# Altium PCB host_board.PcbDoc (part 4 of 8) (continued)
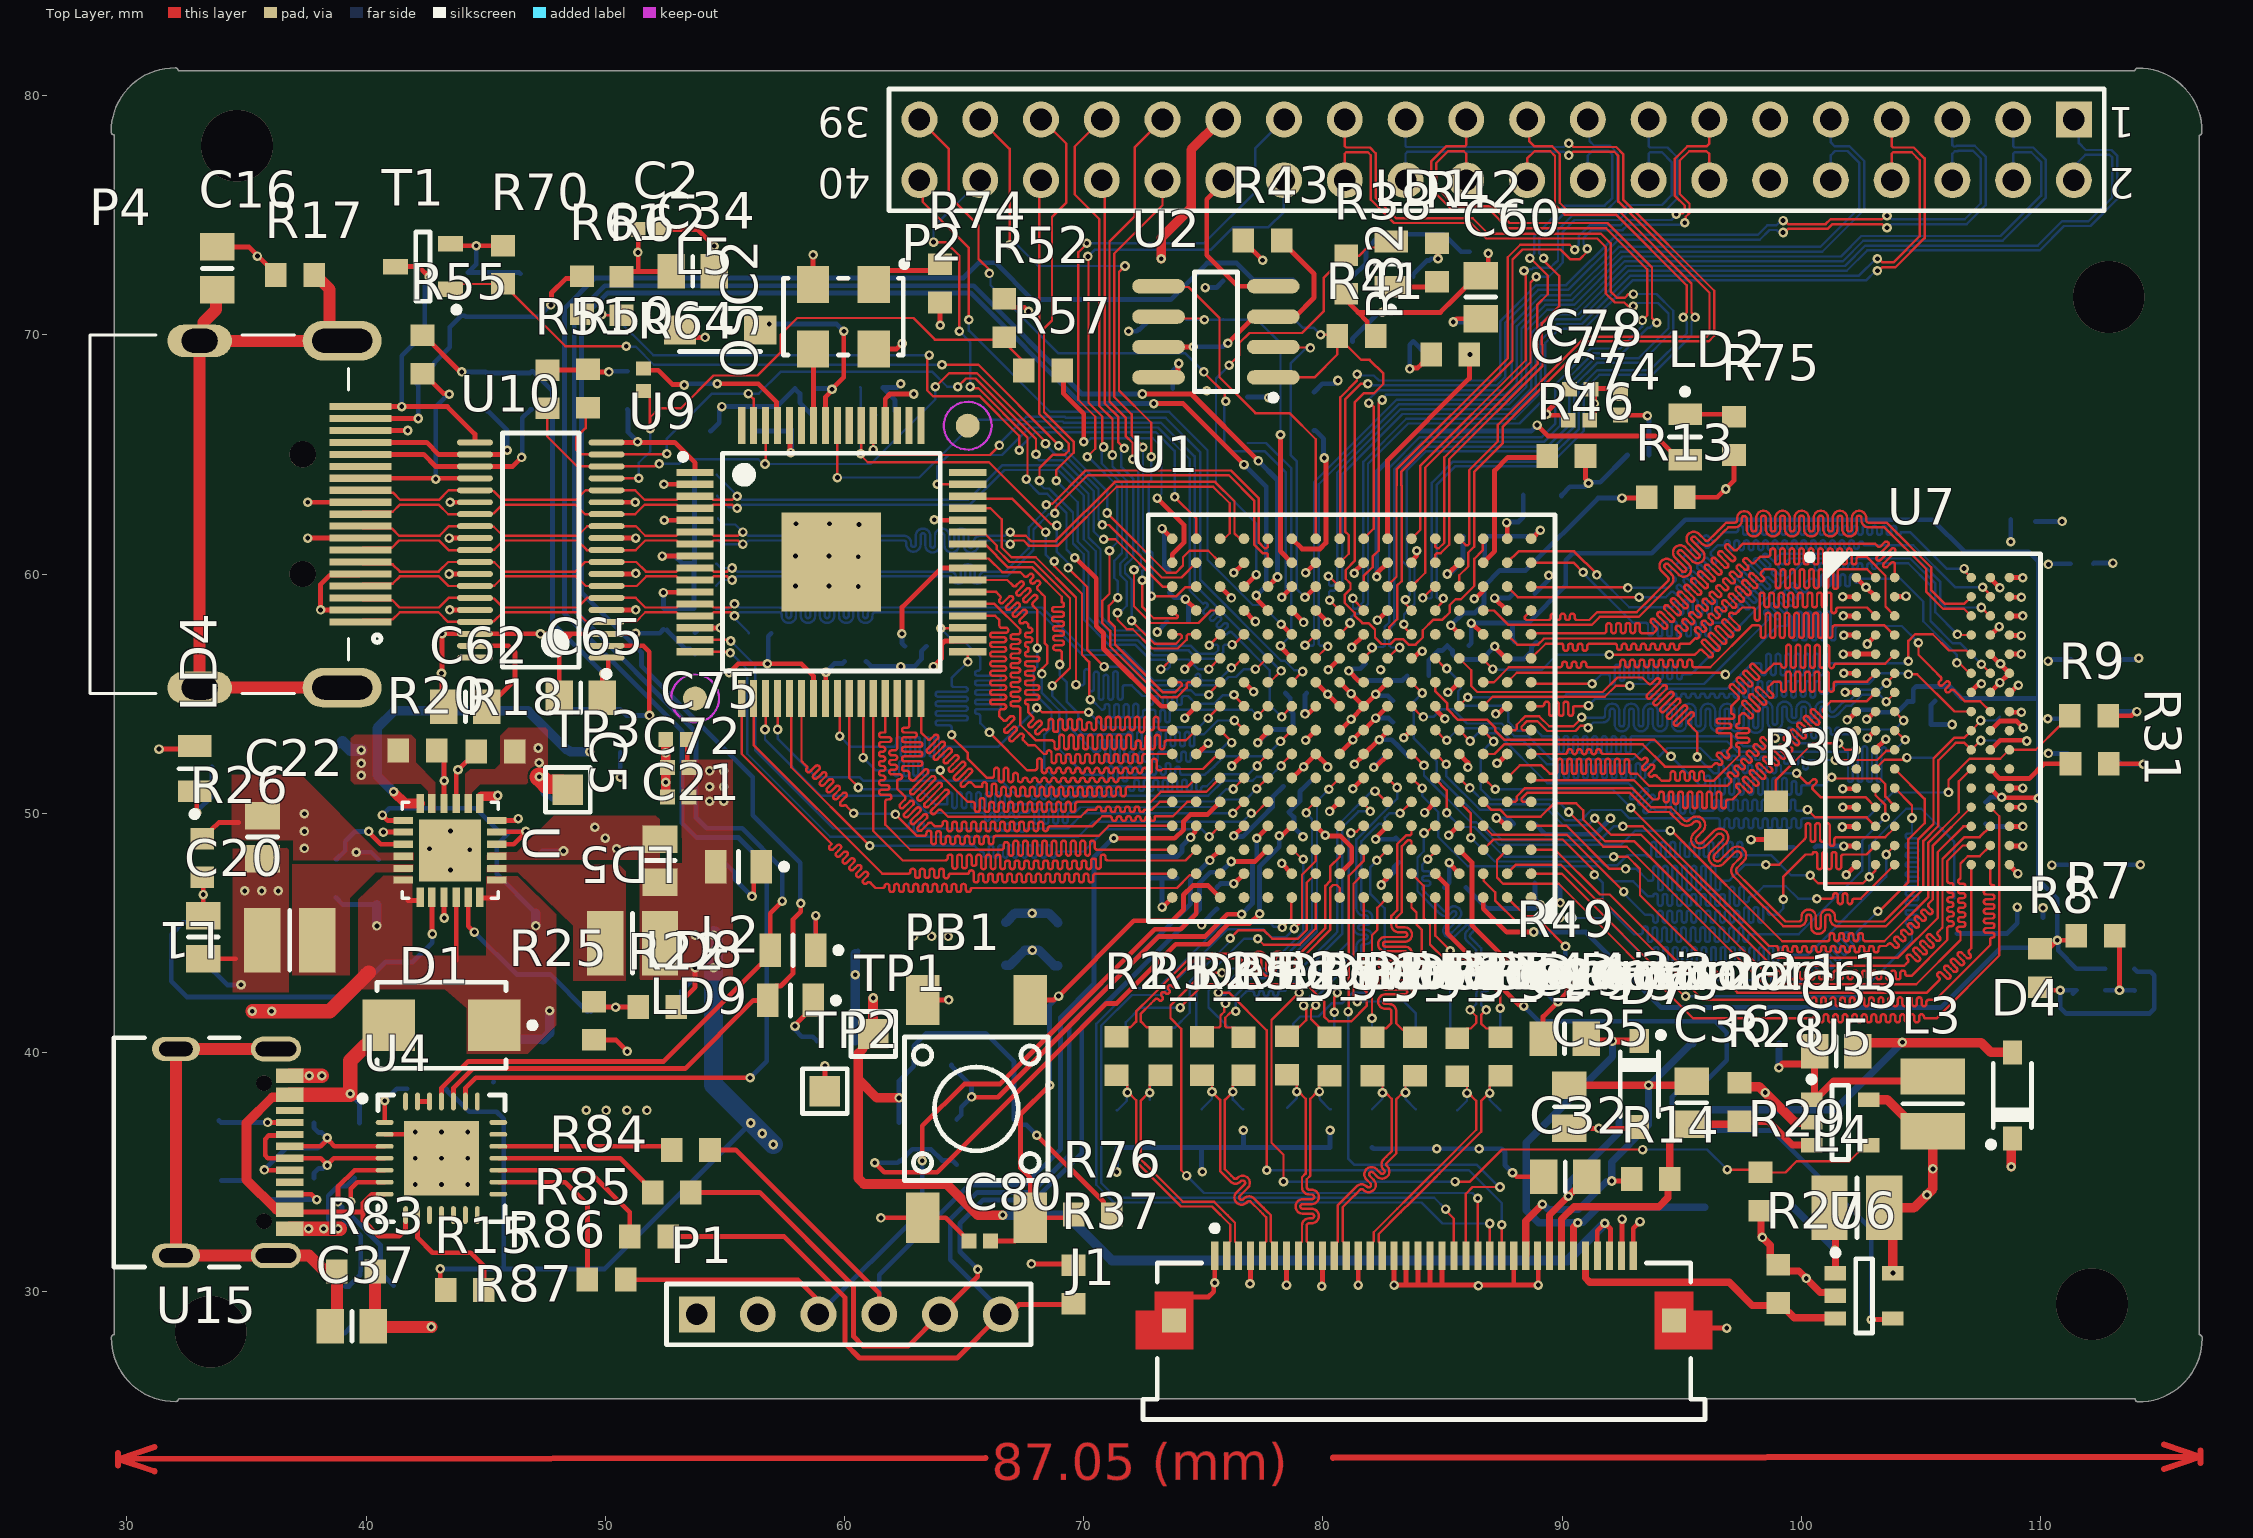
[diagram p0: Top Layer view]
## Nets (pads, with @x,y where several pads share a name; then routed paths per layer and width w, separated by ;. In a path a pad name is that pad's centre, name@x,y a point inside that pad or via, vN(x,y) a via of type N, cw(c..) or ccw(c..) an arc to the next point about the centre after c; other vN are vias at no path point) (continued)
DDR_D10: U1.R2 U7.C8 | length 34.8
  Top Layer w0.1: U1.R2@87.7,60.475 88.173,60.947 90.497,60.947 91.45,59.995 v1(91.45,59.964) ; v1(107.525,58.6) 107.875,58.25 U7.C8@107.9,58.25
  Bottom Layer w0.1: v1(91.45,59.964) 92.805,58.609 94.564,58.609 ccw(c94.564,58.709) 94.664,58.709 94.664,58.732 cw(c94.764,58.732) 94.764,58.832 cw(c94.764,58.732) 94.864,58.732 94.864,58.609 94.864,58.396 ccw(c94.964,58.396) 94.964,58.296 ccw(c94.964,58.396) 95.064,58.396 95.064,58.609 95.064,58.83 cw(c95.164,58.83) 95.164,58.93 cw(c95.164,58.83) 95.264,58.83 95.264,58.609 95.264,58.396 ccw(c95.364,58.396) 95.364,58.296 ccw(c95.364,58.396) 95.464,58.396 95.464,58.609 95.464,58.83 cw(c95.564,58.83) 95.564,58.93 cw(c95.564,58.83) 95.664,58.83 95.664,58.609 95.664,58.396 ccw(c95.764,58.396) 95.764,58.296 ccw(c95.764,58.396) 95.864,58.396 95.864,58.609 95.864,58.83 cw(c95.964,58.83) 95.964,58.93 cw(c95.964,58.83) 96.064,58.83 96.064,58.609 96.064,58.396 ccw(c96.164,58.396) 96.164,58.296 ccw(c96.164,58.396) 96.264,58.396 96.264,58.609 96.264,58.83 cw(c96.364,58.83) 96.364,58.93 cw(c96.364,58.83) 96.464,58.83 96.464,58.609 96.464,58.396 ccw(c96.564,58.396) 96.564,58.296 ccw(c96.564,58.396) 96.664,58.396 96.664,58.509 cw(c96.764,58.509) 96.764,58.609 96.8,58.609 96.884,58.609 97.438,59.163 97.482,59.207 ccw(c97.411,59.278) 97.482,59.348 97.196,59.634 cw(c97.267,59.705) 97.196,59.775 cw(c97.267,59.705) 97.338,59.775 97.694,59.419 ccw(c97.744,59.469) 97.795,59.419 97.835,59.459 ccw(c97.785,59.51) 97.835,59.56 97.479,59.917 cw(c97.55,59.988) 97.479,60.058 cw(c97.55,59.988) 97.62,60.058 97.977,59.702 ccw(c98.027,59.752) 98.078,59.702 98.118,59.742 ccw(c98.068,59.793) 98.118,59.843 97.762,60.2 cw(c97.833,60.27) 97.762,60.341 cw(c97.833,60.27) 97.903,60.341 98.26,59.985 ccw(c98.31,60.035) 98.361,59.985 98.401,60.025 ccw(c98.351,60.076) 98.401,60.126 98.045,60.483 cw(c98.115,60.553) 98.045,60.624 cw(c98.115,60.553) 98.186,60.624 98.543,60.268 ccw(c98.593,60.318) 98.643,60.268 98.684,60.308 ccw(c98.633,60.358) 98.684,60.409 98.421,60.672 cw(c98.492,60.742) 98.421,60.813 cw(c98.492,60.742) 98.563,60.813 98.825,60.55 ccw(c98.876,60.601) 98.926,60.55 98.967,60.591 ccw(c98.916,60.641) 98.967,60.692 99.037,60.762 99.125,60.85 104.631,60.85 105.8,59.681 105.8,58.85 106.05,58.6 v1(107.525,58.6)
DDR_D11: U1.L3 U7.C2 | length 34.6
  Top Layer w0.1: U1.L3@86.7,56.475 86.7,56.425 v1(87.1,56.025) ; v1(91.977,56.625) 95.55,56.625 95.587,56.662 95.657,56.732 95.728,56.803 cw(c95.799,56.732) 95.869,56.803 96.132,56.54 ccw(c96.203,56.611) 96.274,56.54 ccw(c96.203,56.611) 96.274,56.682 95.94,57.015 95.871,57.084 cw(c95.942,57.155) 95.871,57.225 cw(c95.942,57.155) 96.013,57.225 96.082,57.157 96.415,56.823 ; 96.415,56.823 ccw(c96.486,56.894) 96.557,56.823 ccw(c96.486,56.894) 96.557,56.964 96.223,57.298 96.154,57.367 cw(c96.225,57.438) 96.154,57.508 cw(c96.225,57.438) 96.295,57.508 96.364,57.439 96.698,57.106 ccw(c96.769,57.177) 96.839,57.106 ccw(c96.769,57.177) 96.839,57.247 96.506,57.581 96.437,57.65 cw(c96.508,57.72) 96.437,57.791 cw(c96.508,57.72) 96.578,57.791 96.647,57.722 96.981,57.389 ccw(c97.052,57.459) 97.122,57.389 ccw(c97.052,57.459) 97.122,57.53 96.789,57.864 96.72,57.933 cw(c96.79,58.003) 96.72,58.074 cw(c96.79,58.003) 96.861,58.074 96.93,58.005 97.264,57.672 ccw(c97.334,57.742) 97.405,57.672 ccw(c97.334,57.742) 97.405,57.813 97.072,58.147 97.003,58.215 cw(c97.073,58.286) 97.003,58.357 cw(c97.073,58.286) 97.144,58.357 ccw(c97.213,58.426) 97.282,58.357 97.354,58.429 97.375,58.45 97.525,58.6 97.925,58.6 97.955,58.6 cw(c97.955,58.5) 98.055,58.5 98.055,58.15 ccw(c98.155,58.15) 98.155,58.05 ccw(c98.155,58.15) 98.255,58.15 98.255,58.6 98.255,59.125 cw(c98.355,59.125) 98.355,59.225 cw(c98.355,59.125) 98.455,59.125 98.455,58.7 ccw(c98.555,58.7) 98.555,58.6 ccw(c98.555,58.7) 98.655,58.7 98.655,59.125 cw(c98.755,59.125) 98.755,59.225 cw(c98.755,59.125) 98.855,59.125 98.855,58.7 ccw(c98.955,58.7) 98.955,58.6 ccw(c98.955,58.7) 99.055,58.7 99.055,59.125 cw(c99.155,59.125) 99.155,59.225 cw(c99.155,59.125) 99.255,59.125 99.255,58.7 ccw(c99.355,58.7) 99.355,58.6 ccw(c99.355,58.7) 99.455,58.7 99.455,59.125 cw(c99.555,59.125) 99.555,59.225 cw(c99.555,59.125) 99.655,59.125 99.655,58.7 ccw(c99.755,58.7) 99.755,58.6 ccw(c99.755,58.7) 99.855,58.7 99.855,59.125 cw(c99.955,59.125) 99.955,59.225 cw(c99.955,59.125) 100.055,59.125 100.055,58.7 ccw(c100.155,58.7) 100.155,58.6 ccw(c100.155,58.7) 100.255,58.7 100.255,59.125 cw(c100.355,59.125) 100.355,59.225 cw(c100.355,59.125) 100.455,59.125 100.455,58.7 ccw(c100.555,58.7) 100.555,58.6 ccw(c100.555,58.7) 100.655,58.7 100.655,59.125 cw(c100.755,59.125) 100.755,59.225 cw(c100.755,59.125) 100.855,59.125 100.855,58.7 ccw(c100.955,58.7) 100.955,58.6 ccw(c100.955,58.7) 101.055,58.7 101.055,59.125 cw(c101.155,59.125) 101.155,59.225 cw(c101.155,59.125) 101.255,59.125 101.255,58.6 101.255,58.465 ccw(c101.355,58.465) 101.355,58.365 ccw(c101.355,58.465) 101.455,58.465 101.455,58.5 cw(c101.555,58.5) 101.555,58.6 102.75,58.6 U7.C2@103.1,58.25
  Bottom Layer w0.1: v1@87.1,56 89.15,56 89.775,56.625 v1(91.977,56.625)
DDR_D12: U1.P1 U7.A7 | length 34.5
  Top Layer w0.1: U1.P1@88.7,59.475 88.727,59.448 92.723,59.448 v1(92.75,59.421) ; v1(106.8,60.225) 106.8,60.15 U7.A7@107.1,59.85
  Bottom Layer w0.1: v1(92.75,59.421) 94.436,59.421 94.438,59.421 94.509,59.491 94.65,59.633 94.721,59.704 ccw(c94.65,59.774) 94.721,59.845 94.538,60.028 cw(c94.609,60.098) 94.538,60.169 cw(c94.609,60.098) 94.68,60.169 94.862,59.986 ccw(c94.933,60.057) 95.004,59.986 ccw(c94.933,60.057) 95.004,60.128 94.821,60.311 cw(c94.892,60.381) 94.821,60.452 cw(c94.892,60.381) 94.962,60.452 95.145,60.269 ccw(c95.216,60.34) 95.286,60.269 ccw(c95.216,60.34) 95.286,60.411 95.104,60.593 cw(c95.174,60.664) 95.104,60.735 cw(c95.174,60.664) 95.245,60.735 95.428,60.552 ccw(c95.499,60.623) 95.569,60.552 ccw(c95.499,60.623) 95.569,60.694 95.387,60.876 cw(c95.457,60.947) 95.387,61.018 cw(c95.457,60.947) 95.528,61.018 95.711,60.835 ccw(c95.781,60.906) 95.852,60.835 ccw(c95.781,60.906) 95.852,60.976 95.669,61.159 cw(c95.74,61.23) 95.669,61.3 cw(c95.74,61.23) 95.811,61.3 95.994,61.118 ccw(c96.064,61.189) 96.135,61.118 ccw(c96.064,61.189) 96.135,61.259 95.952,61.442 cw(c96.023,61.513) 95.952,61.583 cw(c96.023,61.513) 96.094,61.583 96.276,61.401 ccw(c96.347,61.471) 96.418,61.401 96.489,61.471 96.617,61.6 96.767,61.75 97.26,61.75 ccw(c97.26,61.85) 97.36,61.85 97.36,61.91 cw(c97.46,61.91) 97.46,62.01 cw(c97.46,61.91) 97.56,61.91 97.56,61.75 97.56,61.733 ccw(c97.66,61.733) 97.66,61.633 ccw(c97.66,61.733) 97.76,61.733 97.76,61.75 97.76,61.91 cw(c97.86,61.91) 97.86,62.01 cw(c97.86,61.91) 97.96,61.91 97.96,61.75 97.96,61.733 ccw(c98.06,61.733) 98.06,61.633 ccw(c98.06,61.733) 98.16,61.733 98.16,61.75 98.16,61.91 cw(c98.26,61.91) 98.26,62.01 cw(c98.26,61.91) 98.36,61.91 98.36,61.75 98.36,61.733 ccw(c98.46,61.733) 98.46,61.633 ccw(c98.46,61.733) 98.56,61.733 98.56,61.75 98.56,61.91 cw(c98.66,61.91) 98.66,62.01 cw(c98.66,61.91) 98.76,61.91 98.76,61.75 98.76,61.733 ccw(c98.86,61.733) 98.86,61.633 ccw(c98.86,61.733) 98.96,61.733 98.96,61.75 98.96,61.91 cw(c99.06,61.91) 99.06,62.01 cw(c99.06,61.91) 99.16,61.91 99.16,61.75 99.16,61.733 ccw(c99.26,61.733) 99.26,61.633 ccw(c99.26,61.733) 99.36,61.733 99.36,61.75 99.36,61.91 cw(c99.46,61.91) 99.46,62.01 cw(c99.46,61.91) 99.56,61.91 99.56,61.75 99.56,61.733 ccw(c99.66,61.733) 99.66,61.633 ccw(c99.66,61.733) 99.76,61.733 99.76,61.75 99.76,61.91 cw(c99.86,61.91) 99.86,62.01 cw(c99.86,61.91) 99.96,61.91 99.96,61.75 99.96,61.733 ccw(c100.06,61.733) 100.06,61.633 ccw(c100.06,61.733) 100.16,61.733 100.16,61.75 100.16,61.91 cw(c100.26,61.91) 100.26,62.01 cw(c100.26,61.91) 100.36,61.91 100.36,61.75 100.36,61.733 ccw(c100.46,61.733) 100.46,61.633 ccw(c100.46,61.733) 100.56,61.733 100.56,61.75 100.56,61.91 cw(c100.66,61.91) 100.66,62.01 cw(c100.66,61.91) 100.76,61.91 100.76,61.75 100.76,61.733 ccw(c100.86,61.733) 100.86,61.633 ccw(c100.86,61.733) 100.96,61.733 100.96,61.75 100.96,61.91 cw(c101.06,61.91) 101.06,62.01 cw(c101.06,61.91) 101.16,61.91 101.16,61.75 101.16,61.733 ccw(c101.26,61.733) 101.26,61.633 ccw(c101.26,61.733) 101.36,61.733 101.36,61.75 101.36,61.91 cw(c101.46,61.91) 101.46,62.01 cw(c101.46,61.91) 101.56,61.91 101.56,61.75 101.56,61.733 ccw(c101.66,61.733) 101.66,61.633 ccw(c101.66,61.733) 101.76,61.733 101.76,61.75 101.76,61.91 cw(c101.86,61.91) 101.86,62.01 cw(c101.86,61.91) 101.96,61.91 101.96,61.75 101.96,61.733 ccw(c102.06,61.733) 102.06,61.633 ccw(c102.06,61.733) 102.16,61.733 102.16,61.75 102.16,61.91 cw(c102.26,61.91) 102.26,62.01 cw(c102.26,61.91) 102.36,61.91 102.36,61.75 102.36,61.733 ccw(c102.46,61.733) 102.46,61.633 ccw(c102.46,61.733) 102.56,61.733 102.56,61.75 102.56,61.91 cw(c102.66,61.91) 102.66,62.01 cw(c102.66,61.91) 102.76,61.91 102.76,61.75 102.76,61.733 ccw(c102.86,61.733) 102.86,61.633 ccw(c102.86,61.733) 102.96,61.733 102.96,61.75 102.96,61.91 cw(c103.06,61.91) 103.06,62.01 cw(c103.06,61.91) 103.16,61.91 103.16,61.75 103.16,61.733 ccw(c103.26,61.733) 103.26,61.633 ccw(c103.26,61.733) 103.36,61.733 103.36,61.75 103.36,61.91 cw(c103.46,61.91) 103.46,62.01 cw(c103.46,61.91) 103.56,61.91 103.56,61.75 103.56,61.733 ccw(c103.66,61.733) 103.66,61.633 ccw(c103.66,61.733) 103.76,61.733 103.76,61.75 103.76,61.91 cw(c103.86,61.91) 103.86,62.01 cw(c103.86,61.91) 103.96,61.91 103.96,61.75 103.96,61.733 ccw(c104.06,61.733) 104.06,61.633 ccw(c104.06,61.733) 104.16,61.733 104.16,61.75 104.275,61.75 104.542,61.75 106.067,60.225 v1(106.8,60.225)
DDR_D13: U1.L1 U7.A2 | length 37.4
  Top Layer w0.1: U1.L1@88.7,56.475 89.313,57.088 89.7,57.088 89.95,57.088 cw(c89.95,56.988) 90.05,56.988 90.05,56.89 ccw(c90.15,56.89) 90.25,56.89 90.25,56.991 cw(c90.35,56.991) 90.45,56.991 90.45,56.89 ccw(c90.55,56.89) 90.65,56.89 90.65,56.992 cw(c90.75,56.992) 90.85,56.992 90.85,56.89 ccw(c90.95,56.89) 91.05,56.89 91.05,56.988 cw(c91.15,56.988) 91.15,57.088 91.43,57.088 91.992,57.088 92.092,57.088 92.192,57.088 cw(c92.192,56.988) 92.292,56.988 92.292,56.925 ccw(c92.392,56.925) 92.392,56.825 ccw(c92.392,56.925) 92.492,56.925 92.492,56.988 cw(c92.592,56.988) 92.592,57.088 cw(c92.592,56.988) 92.692,56.988 92.692,56.925 ccw(c92.792,56.925) 92.792,56.825 ccw(c92.792,56.925) 92.892,56.925 92.892,56.988 cw(c92.992,56.988) 92.992,57.088 cw(c92.992,56.988) 93.092,56.988 93.092,56.925 ccw(c93.192,56.925) 93.192,56.825 ccw(c93.192,56.925) 93.292,56.925 93.292,56.988 cw(c93.392,56.988) 93.392,57.088 cw(c93.392,56.988) 93.492,56.988 93.492,56.925 ccw(c93.592,56.925) 93.592,56.825 ccw(c93.592,56.925) 93.692,56.925 93.692,56.988 cw(c93.792,56.988) 93.792,57.088 cw(c93.792,56.988) 93.892,56.988 93.892,56.925 ccw(c93.992,56.925) 93.992,56.825 ccw(c93.992,56.925) 94.092,56.925 94.092,56.988 cw(c94.192,56.988) 94.192,57.088 cw(c94.192,56.988) 94.292,56.988 94.292,56.925 ccw(c94.392,56.925) 94.392,56.825 ccw(c94.392,56.925) 94.492,56.925 94.492,56.988 cw(c94.592,56.988) 94.592,57.088 cw(c94.592,56.988) 94.692,56.988 94.692,56.925 ccw(c94.792,56.925) 94.792,56.825 ccw(c94.792,56.925) 94.892,56.925 94.892,56.988 cw(c94.992,56.988) 94.992,57.088 95.05,57.088 95.338,57.088 95.362,57.112 95.433,57.183 95.574,57.324 ccw(c95.631,57.381) 95.688,57.324 95.716,57.352 ccw(c95.659,57.409) 95.716,57.466 95.58,57.601 cw(c95.651,57.672) 95.58,57.743 cw(c95.651,57.672) 95.721,57.743 95.857,57.607 ccw(c95.914,57.664) 95.971,57.607 95.998,57.635 ccw(c95.942,57.692) 95.998,57.748 95.863,57.884 cw(c95.933,57.955) 95.863,58.026 cw(c95.933,57.955) 96.004,58.026 96.14,57.89 ccw(c96.197,57.947) 96.254,57.89 96.281,57.918 ccw(c96.224,57.974) 96.281,58.031 96.146,58.167 cw(c96.216,58.238) 96.146,58.308 cw(c96.216,58.238) 96.287,58.308 96.423,58.173 ccw(c96.48,58.23) 96.536,58.173 96.564,58.2 ccw(c96.507,58.257) 96.564,58.314 96.428,58.45 cw(c96.499,58.521) 96.428,58.591 cw(c96.499,58.521) 96.57,58.591 96.706,58.456 ccw(c96.762,58.512) 96.819,58.456 96.847,58.483 ccw(c96.79,58.54) 96.847,58.597 96.711,58.733 cw(c96.782,58.803) 96.711,58.874 cw(c96.782,58.803) 96.853,58.874 96.988,58.738 97.114,58.613 ccw(c97.184,58.684) 97.255,58.613 ccw(c97.184,58.684) 97.255,58.754 97.13,58.88 96.994,59.015 cw(c97.065,59.086) 96.994,59.157 cw(c97.065,59.086) 97.136,59.157 97.271,59.021 97.43,58.862 ccw(c97.501,58.933) 97.572,58.862 ccw(c97.501,58.933) 97.572,59.004 97.413,59.163 97.277,59.298 cw(c97.348,59.369) 97.277,59.44 cw(c97.348,59.369) 97.418,59.44 97.554,59.304 97.711,59.148 ccw(c97.781,59.218) 97.852,59.148 ccw(c97.781,59.218) 97.852,59.289 97.695,59.445 97.56,59.581 cw(c97.63,59.652) 97.56,59.723 cw(c97.63,59.652) 97.701,59.723 97.837,59.587 97.991,59.433 ccw(c98.062,59.503) 98.132,59.433 ccw(c98.062,59.503) 98.132,59.574 97.978,59.728 97.843,59.864 cw(c97.913,59.935) 97.843,60.005 cw(c97.913,59.935) 97.984,60.005 98.12,59.87 98.271,59.718 ccw(c98.342,59.789) 98.413,59.718 ccw(c98.342,59.789) 98.413,59.859 98.332,59.94 cw(c98.403,60.011) 98.332,60.082 98.375,60.125 98.45,60.2 98.8,60.2 98.825,60.2 cw(c98.825,60.1) 98.925,60.1 98.925,59.503 ccw(c99.025,59.503) 99.025,59.403 ccw(c99.025,59.503) 99.125,59.503 99.125,60.1 cw(c99.225,60.1) 99.225,60.2 cw(c99.225,60.1) 99.325,60.1 99.325,59.503 ccw(c99.425,59.503) 99.425,59.403 ccw(c99.425,59.503) 99.525,59.503 99.525,60.1 cw(c99.625,60.1) 99.625,60.2 cw(c99.625,60.1) 99.725,60.1 99.725,59.503 ccw(c99.825,59.503) 99.825,59.403 ccw(c99.825,59.503) 99.925,59.503 99.925,60.1 cw(c100.025,60.1) 100.025,60.2 cw(c100.025,60.1) 100.125,60.1 100.125,59.503 ccw(c100.225,59.503) 100.225,59.403 ccw(c100.225,59.503) 100.325,59.503 100.325,60.1 cw(c100.425,60.1) 100.425,60.2 cw(c100.425,60.1) 100.525,60.1 100.525,59.503 ccw(c100.625,59.503) 100.625,59.403 ccw(c100.625,59.503) 100.725,59.503 100.725,60.1 cw(c100.825,60.1) 100.825,60.2 cw(c100.825,60.1) 100.925,60.1 100.925,59.503 ccw(c101.025,59.503) 101.025,59.403 ccw(c101.025,59.503) 101.125,59.503 101.125,60.1 cw(c101.225,60.1) 101.225,60.2 cw(c101.225,60.1) 101.325,60.1 101.325,59.475 ccw(c101.425,59.475) 101.425,59.375 ccw(c101.425,59.475) 101.525,59.475 101.525,60.1 cw(c101.625,60.1) 101.625,60.2 102.75,60.2 U7.A2@103.1,59.85
DDR_D14: U1.P2 U7.B8 | length 34.9
  Top Layer w0.1: U1.P2@87.7,59.475 88.15,59.025 v1(93.217,59.025) ; v1(107.575,59.45) 107.9,59.125 U7.B8@107.9,59.05
  Bottom Layer w0.1: v1(93.217,59.025) 94.325,59.025 94.392,59.092 94.462,59.162 94.533,59.233 cw(c94.604,59.162) 94.675,59.233 94.758,59.15 ccw(c94.828,59.221) 94.899,59.15 ccw(c94.828,59.221) 94.899,59.292 94.816,59.375 cw(c94.887,59.445) 94.816,59.516 cw(c94.887,59.445) 94.957,59.516 95.15,59.324 ccw(c95.221,59.394) 95.291,59.324 ccw(c95.221,59.394) 95.291,59.465 95.099,59.657 cw(c95.17,59.728) 95.099,59.799 cw(c95.17,59.728) 95.24,59.799 95.433,59.606 ccw(c95.503,59.677) 95.574,59.606 ccw(c95.503,59.677) 95.574,59.748 95.382,59.94 cw(c95.452,60.011) 95.382,60.082 cw(c95.452,60.011) 95.523,60.082 95.716,59.889 ccw(c95.786,59.96) 95.857,59.889 ccw(c95.786,59.96) 95.857,60.031 95.665,60.223 cw(c95.735,60.294) 95.665,60.365 cw(c95.735,60.294) 95.806,60.365 95.998,60.172 ccw(c96.069,60.243) 96.14,60.172 ccw(c96.069,60.243) 96.14,60.314 95.947,60.506 cw(c96.018,60.577) 95.947,60.647 cw(c96.018,60.577) 96.089,60.647 96.281,60.455 ccw(c96.352,60.526) 96.423,60.455 ccw(c96.352,60.526) 96.423,60.596 96.23,60.789 cw(c96.301,60.86) 96.23,60.93 96.301,61.001 96.437,61.137 96.5,61.2 96.7,61.2 ccw(c96.7,61.3) 96.8,61.3 96.8,61.307 cw(c96.9,61.307) 96.9,61.407 cw(c96.9,61.307) 97,61.307 97,61.2 97,61.093 ccw(c97.1,61.093) 97.1,60.993 ccw(c97.1,61.093) 97.2,61.093 97.2,61.2 97.2,61.307 cw(c97.3,61.307) 97.3,61.407 cw(c97.3,61.307) 97.4,61.307 97.4,61.2 97.4,61.093 ccw(c97.5,61.093) 97.5,60.993 ccw(c97.5,61.093) 97.6,61.093 97.6,61.2 97.6,61.307 cw(c97.7,61.307) 97.7,61.407 cw(c97.7,61.307) 97.8,61.307 97.8,61.2 97.8,61.093 ccw(c97.9,61.093) 97.9,60.993 ccw(c97.9,61.093) 98,61.093 98,61.2 98,61.307 cw(c98.1,61.307) 98.1,61.407 cw(c98.1,61.307) 98.2,61.307 98.2,61.2 98.2,61.093 ccw(c98.3,61.093) 98.3,60.993 ccw(c98.3,61.093) 98.4,61.093 98.4,61.2 98.4,61.307 cw(c98.5,61.307) 98.5,61.407 cw(c98.5,61.307) 98.6,61.307 98.6,61.2 98.6,61.093 ccw(c98.7,61.093) 98.7,60.993 ccw(c98.7,61.093) 98.8,61.093 98.8,61.2 98.8,61.307 cw(c98.9,61.307) 98.9,61.407 cw(c98.9,61.307) 99,61.307 99,61.2 99,61.149 ccw(c99.1,61.149) 99.1,61.049 ccw(c99.1,61.149) 99.2,61.149 99.2,61.2 99.2,61.307 cw(c99.3,61.307) 99.3,61.407 cw(c99.3,61.307) 99.4,61.307 99.4,61.2 99.4,61.15 ccw(c99.5,61.15) 99.5,61.05 ccw(c99.5,61.15) 99.6,61.15 99.6,61.2 99.6,61.307 cw(c99.7,61.307) 99.7,61.407 cw(c99.7,61.307) 99.8,61.307 99.8,61.2 99.8,61.15 ccw(c99.9,61.15) 99.9,61.05 ccw(c99.9,61.15) 100,61.15 100,61.2 100,61.307 cw(c100.1,61.307) 100.1,61.407 cw(c100.1,61.307) 100.2,61.307 100.2,61.2 100.2,61.15 ccw(c100.3,61.15) 100.3,61.05 ccw(c100.3,61.15) 100.4,61.15 100.4,61.2 100.4,61.307 cw(c100.5,61.307) 100.5,61.407 cw(c100.5,61.307) 100.6,61.307 100.6,61.2 100.6,61.15 ccw(c100.7,61.15) 100.7,61.05 ccw(c100.7,61.15) 100.8,61.15 100.8,61.2 100.8,61.307 cw(c100.9,61.307) 100.9,61.407 cw(c100.9,61.307) 101,61.307 101,61.2 101,61.15 ccw(c101.1,61.15) 101.1,61.05 ccw(c101.1,61.15) 101.2,61.15 101.2,61.2 101.2,61.307 cw(c101.3,61.307) 101.3,61.407 cw(c101.3,61.307) 101.4,61.307 101.4,61.2 101.4,61.15 ccw(c101.5,61.15) 101.5,61.05 ccw(c101.5,61.15) 101.6,61.15 101.6,61.2 101.6,61.307 cw(c101.7,61.307) 101.7,61.407 cw(c101.7,61.307) 101.8,61.307 101.8,61.2 101.8,61.15 ccw(c101.9,61.15) 101.9,61.05 ccw(c101.9,61.15) 102,61.15 102,61.2 102,61.307 cw(c102.1,61.307) 102.1,61.407 cw(c102.1,61.307) 102.2,61.307 102.2,61.2 102.2,61.15 ccw(c102.3,61.15) 102.3,61.05 ccw(c102.3,61.15) 102.4,61.15 102.4,61.2 102.4,61.252 cw(c102.5,61.252) 102.5,61.352 cw(c102.5,61.252) 102.6,61.252 ccw(c102.652,61.252) 102.652,61.2 102.7,61.2 104.675,61.2 106.425,59.45 v1(107.575,59.45)
DDR_D15: U1.M1 U7.A3 | length 38
  Top Layer w0.1: U1.M1@88.7,57.475 88.75,57.525 91.75,57.525 ccw(c91.75,57.625) 91.85,57.625 91.85,57.85 cw(c91.95,57.85) 91.95,57.95 cw(c91.95,57.85) 92.05,57.85 92.05,57.625 ccw(c92.15,57.625) 92.15,57.525 ccw(c92.15,57.625) 92.25,57.625 92.25,57.85 cw(c92.35,57.85) 92.35,57.95 cw(c92.35,57.85) 92.45,57.85 92.45,57.625 ccw(c92.55,57.625) 92.55,57.525 ccw(c92.55,57.625) 92.65,57.625 92.65,57.85 cw(c92.75,57.85) 92.75,57.95 cw(c92.75,57.85) 92.85,57.85 92.85,57.625 ccw(c92.95,57.625) 92.95,57.525 ccw(c92.95,57.625) 93.05,57.625 93.05,57.85 cw(c93.15,57.85) 93.15,57.95 cw(c93.15,57.85) 93.25,57.85 93.25,57.625 ccw(c93.35,57.625) 93.35,57.525 93.45,57.525 93.65,57.525 93.713,57.525 93.817,57.525 93.918,57.626 ccw(c93.848,57.697) 93.918,57.768 93.725,57.961 cw(c93.796,58.032) 93.725,58.103 cw(c93.796,58.032) 93.866,58.103 94.131,57.838 94.23,57.739 ccw(c94.3,57.81) 94.371,57.739 ccw(c94.3,57.81) 94.371,57.881 94.272,57.98 94.008,58.244 cw(c94.078,58.315) 94.008,58.385 cw(c94.078,58.315) 94.149,58.385 94.413,58.121 94.512,58.022 ccw(c94.583,58.093) 94.654,58.022 ccw(c94.583,58.093) 94.654,58.164 94.555,58.263 94.291,58.527 cw(c94.361,58.598) 94.291,58.668 cw(c94.361,58.598) 94.432,58.668 94.696,58.404 94.795,58.305 ccw(c94.866,58.376) 94.937,58.305 ccw(c94.866,58.376) 94.937,58.446 94.838,58.545 94.573,58.81 cw(c94.644,58.88) 94.573,58.951 cw(c94.644,58.88) 94.715,58.951 94.979,58.687 95.078,58.588 ccw(c95.149,58.659) 95.22,58.588 ccw(c95.149,58.659) 95.22,58.729 95.12,58.828 94.856,59.093 cw(c94.927,59.163) 94.856,59.234 cw(c94.927,59.163) 94.998,59.234 95.262,58.97 95.361,58.871 ccw(c95.432,58.941) 95.502,58.871 ccw(c95.432,58.941) 95.502,59.012 95.403,59.111 95.139,59.375 cw(c95.21,59.446) 95.139,59.517 cw(c95.21,59.446) 95.281,59.517 95.545,59.253 95.644,59.154 ccw(c95.714,59.224) 95.785,59.154 ccw(c95.714,59.224) 95.785,59.295 95.686,59.394 95.422,59.658 cw(c95.493,59.729) 95.422,59.8 cw(c95.493,59.729) 95.563,59.8 95.828,59.535 95.927,59.436 ccw(c95.997,59.507) 96.068,59.436 ccw(c95.997,59.507) 96.068,59.578 95.969,59.677 95.705,59.941 cw(c95.775,60.012) 95.705,60.082 cw(c95.775,60.012) 95.846,60.082 96.11,59.818 96.209,59.719 ccw(c96.28,59.79) 96.351,59.719 ccw(c96.28,59.79) 96.351,59.861 96.252,59.96 95.988,60.224 cw(c96.058,60.295) 95.988,60.365 cw(c96.058,60.295) 96.129,60.365 96.393,60.101 96.492,60.002 ccw(c96.563,60.073) 96.634,60.002 ccw(c96.563,60.073) 96.634,60.143 96.535,60.243 96.27,60.507 cw(c96.341,60.577) 96.27,60.648 cw(c96.341,60.577) 96.412,60.648 96.676,60.384 96.775,60.285 ccw(c96.846,60.356) 96.917,60.285 ccw(c96.846,60.356) 96.917,60.426 96.818,60.525 96.553,60.79 cw(c96.624,60.86) 96.553,60.931 cw(c96.624,60.86) 96.695,60.931 96.959,60.667 97.058,60.568 ccw(c97.129,60.638) 97.199,60.568 ccw(c97.129,60.638) 97.199,60.709 97.1,60.808 96.836,61.072 cw(c96.907,61.143) 96.836,61.214 cw(c96.907,61.143) 96.978,61.214 97.184,61.008 ccw(c97.242,61.066) 97.3,61.008 97.563,61.271 103.079,61.271 103.145,61.205 103.181,61.169 ccw(c103.251,61.24) 103.322,61.169 103.481,61.328 cw(c103.552,61.258) 103.623,61.328 cw(c103.552,61.258) 103.623,61.187 103.163,60.727 ccw(c103.234,60.657) 103.163,60.586 ccw(c103.234,60.657) 103.304,60.586 103.764,61.046 cw(c103.835,60.975) 103.906,61.046 cw(c103.835,60.975) 103.906,60.904 103.446,60.444 ccw(c103.517,60.374) 103.446,60.303 ccw(c103.517,60.374) 103.587,60.303 103.746,60.462 cw(c103.817,60.391) 103.888,60.462 103.9,60.45 103.9,60.21 U7.A3@103.9,59.85
DDR_DM0: U1.J4 U7.E7 | length 34.9
  Top Layer w0.1: U1.J4@85.7,54.475 85.725,54.45 85.65,54.45 v1(86.05,54.85) ; v1@104.475,56.375 104.475,57.206 104.749,57.48 105.495,57.48 106.172,56.803 106.891,56.803 107.044,56.65 U7.E7@107.1,56.65
  Bottom Layer w0.1: v1(86.05,54.85) 90.053,54.85 90.178,54.975 94.1,54.975 94.325,55.2 96.888,55.2 97.963,56.275 98.025,56.275 98.125,56.275 98.225,56.275 cw(c98.225,56.175) 98.325,56.175 98.325,55.868 ccw(c98.425,55.868) 98.425,55.768 ccw(c98.425,55.868) 98.525,55.868 98.525,56.275 98.525,56.56 cw(c98.625,56.56) 98.625,56.66 cw(c98.625,56.56) 98.725,56.56 98.725,56.275 98.725,55.868 ccw(c98.825,55.868) 98.825,55.768 ccw(c98.825,55.868) 98.925,55.868 98.925,56.275 98.925,56.56 cw(c99.025,56.56) 99.025,56.66 cw(c99.025,56.56) 99.125,56.56 99.125,56.275 99.125,55.868 ccw(c99.225,55.868) 99.225,55.768 ccw(c99.225,55.868) 99.325,55.868 99.325,56.275 99.325,56.56 cw(c99.425,56.56) 99.425,56.66 cw(c99.425,56.56) 99.525,56.56 99.525,56.275 99.525,55.868 ccw(c99.625,55.868) 99.625,55.768 ccw(c99.625,55.868) 99.725,55.868 99.725,56.275 99.725,56.56 cw(c99.825,56.56) 99.825,56.66 cw(c99.825,56.56) 99.925,56.56 99.925,56.275 99.925,55.868 ccw(c100.025,55.868) 100.025,55.768 ccw(c100.025,55.868) 100.125,55.868 100.125,56.275 100.125,56.56 cw(c100.225,56.56) 100.225,56.66 cw(c100.225,56.56) 100.325,56.56 100.325,56.275 100.325,55.868 ccw(c100.425,55.868) 100.425,55.768 ccw(c100.425,55.868) 100.525,55.868 100.525,56.275 100.525,56.56 cw(c100.625,56.56) 100.625,56.66 cw(c100.625,56.56) 100.725,56.56 100.725,56.275 100.725,55.868 ccw(c100.825,55.868) 100.825,55.768 ccw(c100.825,55.868) 100.925,55.868 100.925,56.275 100.925,56.56 cw(c101.025,56.56) 101.025,56.66 cw(c101.025,56.56) 101.125,56.56 101.125,56.325 ccw(c101.175,56.325) 101.175,56.275 104.4,56.275 v1(104.475,56.35)